# Altium PCB AccessControl_V1.0.0.PcbDoc (part 2 of 3)
Units mil, origin at the board's own origin, x right, y up, seen from the top; angles counter-clockwise.
Board outline 3937.01 x 3937.01 mil, 4 copper layers (Top Layer, GND, PWR, Bottom Layer), stack 62.449 mil thick; 371 components, 229 nets, 1119 pads, 467 vias.
Unrouted connection lines stored in the file: 6.
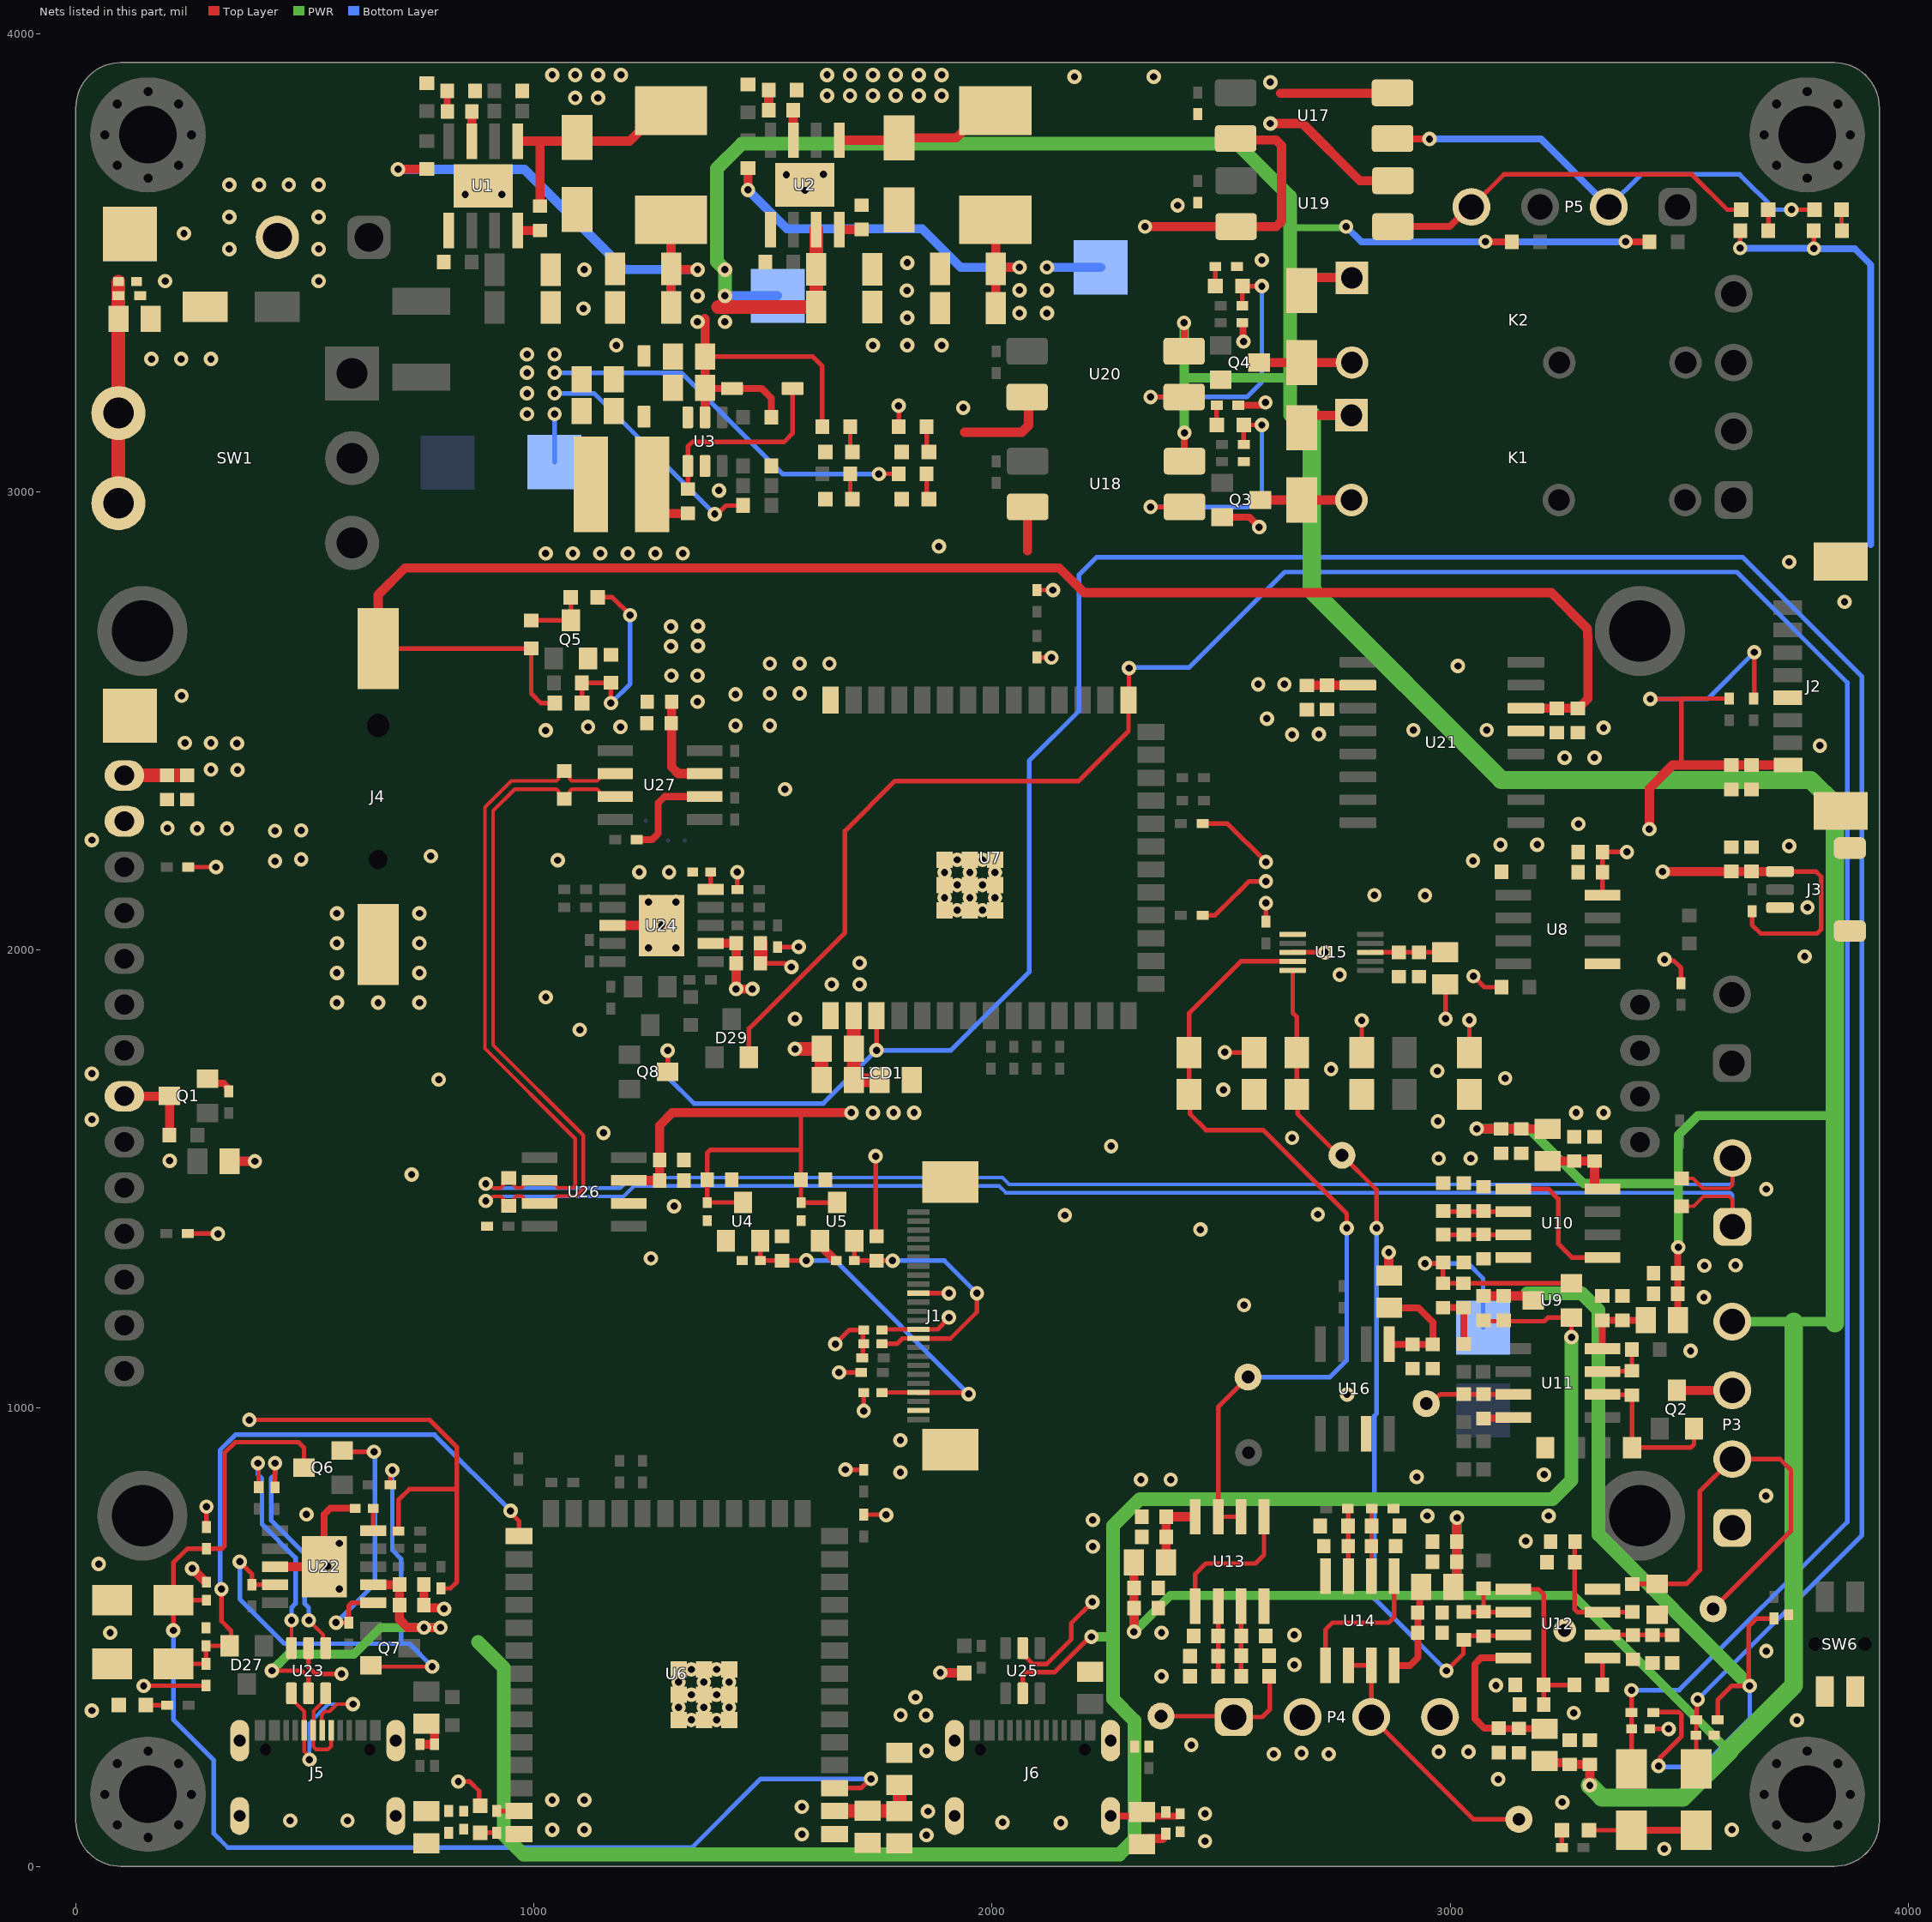
[diagram p4: the nets of this part, all layers, seen from the top]

## Part data
0_10_ADC 0_10V_DAC 0_10V_IN 0_10V_OUT 4_20ma_ADC 4_20ma_DAC 4_20ma_IN: library part Testpoint_TH, "Test Point TEST-1BK", Supply Name=BanLinhKien, Supply Part Number="Test Point TEST-1BK", Supply URL=https://banlinhkien.com/test-point-test1bk-mau-den-5c-p18255999.html
C1 C2 C13 C39 C42 C43 C46 C48 C51 C52 C56 C58 C60 C63 C65 C70 C72 C76 C78 C81 C83 C86 C87 C89 C92 C96 C100 C102: library part Ceramic_Cap_100nF_50V_0603, "CAP, size 0603, 100nF, 50V", Supply Part Number="Tụ Gốm 0603 100nF (0.1uF) 50V", Supply Name=Thegioiic, Supply URL=https://www.thegioiic.com/tu-gom-0603-100nf-0-1uf-50v
C3 C7: library part Ceramic_Cap_10uF_35V_1206, "CAP, size 1206, 10uF, 35V", Supply Part Number="Tụ Gốm 1206 10uF 35V", Supply Name=Thegioiic, Supply URL=https://www.thegioiic.com/tu-gom-1206-10uf-35v
C4 C8: library part Ceramic_Cap_100nF_50V_1206, "CAP, size 1206, 100nF, 50V", Supply Part Number="Tụ Gốm 1206 100nF (0.1uF) 50V", Supply Name=Thegioiic, Supply URL=https://www.thegioiic.com/tu-gom-1206-100nf-0-1uf-50v
C5 C6 C10 C11: library part Ceramic_Cap_47uF_16V_1206, "CAP, size 1206, 47uF, 16V", Supply Part Number="Tụ Gốm 1206 47uF 16V", Supply Name=Thegioiic, Supply URL=https://www.thegioiic.com/tu-gom-1206-47uf-16v
C9 C12: library part Ceramic_Cap_150pF_50V_0603, "CAP, size 0603, 150pF, 50V", Supply Part Number="Tụ Gốm 0603 150pF 50V", Supply Name=Thegioiic, Supply URL=https://www.thegioiic.com/tu-gom-0603-150pf-50v
C14 C17 C18 C21 C53: library part Ceramic_Cap_10uF_6.3V_0603, "CAP, size 0603, 10uF, 6.3V", Supply Part Number=CC0603KRX5R5BB106, Supply Name=tme, Supply URL=http://www.tme.vn/Product.aspx?id=1165#page=pro_info
C15 C16 C19 C20 C26 C29 C30 C33 C34 C35 C36 C37 C38 C93 C94 C97 C98: library part Ceramic_Cap_100nF_50V_0402, "CAP, size 0402, 100nF, 50V", Supply Part Number="Tụ Gốm 0402 100nF (0.1uF) 50V", Supply Name=Thegioiic, Supply URL=https://www.thegioiic.com/tu-gom-0402-100nf-0-1uf-50v
C22 C23: library part Ceramic_Cap_22uF_16V_0805, "CAP, size 0805, 22uF, 16V", Supply Part Number="Tụ Gốm 0805 22uF 16V", Supply Name=Thegioiic, Supply URL=https://www.thegioiic.com/tu-gom-0805-22uf-16v
C24: library part Ceramic_Cap_10uF_50V_0805, "CAP, size 0805, 10uF, 50V", Supply Part Number="Tụ Gốm 0805 10uF 50V", Supply Name=Thegioiic, Supply URL=https://www.thegioiic.com/tu-gom-0805-10uf-50v
C25 C27 C31: library part Ceramic_Cap_100nF_50V_0805, "CAP, size 0805, 100nF, 50V", Supply Part Number="Tụ Gốm 0805 100nF (0.1uF) 50V", Supply Name=Thegioiic, Supply URL=https://www.thegioiic.com/tu-gom-0805-100nf-0-1uf-50v
C28 C32: library part Ceramic_Cap_22uF_6.3V_0805, "CAP, size 0805, 22uF, 6.3V", Supply Part Number="Tụ Gốm 0805 22uF 6.3V", Supply Name=Thegioiic, Supply URL=https://www.thegioiic.com/tu-gom-0805-22uf-6-3v
C40 C41 C44 C47 C49 C50 C57 C59 C64 C66 C71 C73 C77 C79 C82 C84 C85 C88 C90 C91 C95 C99 C101: library part Ceramic_Cap_10uF_16V_0603, "CAP, size 0603, 10uF, 16V", Supply Part Number="Tụ Gốm 0603 10uF 16V", Supply Name=Thegioiic, Supply URL=https://www.thegioiic.com/tu-gom-0603-10uf-16v
C45 C54 C61 C62 C67 C68 C69 C74 C75 C80: library part Ceramic_Cap_2.2nF_50V_0603, "CAP, size 0603, 2.2nF, 50V", Supply Part Number=CC0603KRX7R9BB222, Supply Name=tme, Supply URL=http://www.tme.vn/Product.aspx?id=1310#page=pro_info
C55: library part Ceramic_Cap_470pF_50V_0603, "CAP, size 0603, 470pF, 50V", Supply Part Number="Tụ Gốm 0603 470pF 50V", Supply Name=Thegioiic, Supply URL=https://www.thegioiic.com/tu-gom-0603-470pf-50v
D1 D2 D3 D18 D22: library part Diode_SS54, "Diode Schottky 40V 5A Surface Mount SMA", Supply Part Number="SS54 SMA Diode Shotky 5A 40V", datasheet=https://www.thegioiic.com/upload/documents/dc8a63b3eda4738bc390d9dc570a4e18.pdf, Supply Name=Thegioiic, Supply URL=https://www.thegioiic.com/ss54-sma-diode-shotky-5a-40v
D4 D5: library part Diode_MBR0520T1G, "0.5A 20V SMD Schottky Rectifier Diode", datasheet=https://www.alldatasheet.com/datasheet-pdf/view/281319/SEMTECH_ELEC/MBR0520.html, Supply Name=tme, Supply Part Number=MBR0520T1G, Supply URL=http://www.tme.vn/Product.aspx?id=1582#page=pro_info
D6 D7 D8 D9 D10 D11 D19 D20 D21 D23 D26 D28: library part LED_Yellow_0603, "LED Yellow 0603", Supply Part Number="LED Vàng 0603 Dán SMD Trong Suốt Harvatek", Supply Name=Thegioiic, Supply URL=https://www.thegioiic.com/led-vang-0603-dan-smd-trong-suot-harvatek
D12 D13 D14 D15 D16 D17: library part Diode_BZV55C3V3, "DIODE ZENER 3.3V 500 mW", datasheet=https://www.alldatasheet.com/datasheet-pdf/view/17578/PHILIPS/BZV55.html, Supply Name=tme, Supply Part Number=BZV55-C3V3, Supply URL=http://www.tme.vn/Product.aspx?id=1871#page=pro_info
D24: "LED Green 0603", Supply Part Number="LED Xanh Lá 0603 Dán SMD Trong Suốt Harvatek", Supply Name=Thegioiic, Supply URL=https://www.thegioiic.com/led-xanh-la-0603-dan-smd-trong-suot-harvatek
D25: "LED Red 0603", Supply Part Number="LED Đỏ 0603 Dán SMD Trong Suốt Harvatek", Supply Name=Thegioiic, Supply URL=https://www.thegioiic.com/led-do-0603-dan-smd-trong-suot-harvatek
D27 D29: "DIODE ARRAY SCHOTTKY 30V SOT23-3", datasheet=https://www.alldatasheet.com/datasheet-pdf/view/527995/NXP/BAT54C.html, Supply Name=Thegioiic, Supply Part Number=BAT54C, Supply URL=https://www.thegioiic.com/bat54c
F1: library part Fuse_24V_0.75A_1812, "MF-MSMF075/24-2 Cầu Chì Tự Phục Hồi 1812 24V 0.75A", datasheet=https://www.bourns.com/docs/product-datasheets/mf-msmf.pdf?sfvrsn=4a75e5c0_64, Supply Name=Thegioiic, Supply Part Number="MF-MSMF075/24-2 Cầu Chì Tự Phục Hồi 1812 24V 0.75A", Supply URL=https://www.thegioiic.com/mf-msmf075-24-2-cau-chi-tu-phuc-hoi-1812-24v-0-75a
FB1 FB2 FB3 FB4 FB5 FB6 FB7 FB8 FB9 FB10 FB11 FB12 FB13 FB14 FB15: library part Ferrite_Bead_120Ohm_2A_0805, "Ferrite Bead, size 0805, 120Ohm, 2A", Supply Part Number="CBW201209U121T Ferrite Beads 2A 120 Ohm 0805", Supply Name=Thegioiic, Supply URL=https://www.thegioiic.com/cbw201209u121t-ferrite-beads-2a-120-ohm-0805
GND GND GND GND TP5 TP6 TP7 TP8 TP9 TP10: library part Testpoint_SMD
H1 H2 H3 H4: library part MountingHole
J1: library part FPC_0.5mm_24P, "Cổng FPC 24 Chân 0.5mm Tiếp Điểm Trên, 0.4A 50V", Supply Part Number="Cổng FPC 24 Chân 0.5mm Tiếp Điểm Trên", Supply Name=Thegioiic, Supply URL=https://www.thegioiic.com/cong-fpc-24-chan-0-5mm-tiep-diem-tren
J2: library part MX_1.25mm_8P, "Đầu MX1.25mm 8 Chân Dán SMD Thẳng Đứng", Supply Name=Thegioiic, Supply Part Number="Đầu MX1.25mm 8 Chân Dán SMD Thẳng Đứng", Supply URL=https://www.thegioiic.com/dau-mx1-25mm-8-chan-dan-smd-thang-dung
J3: library part SH_1mm_3P, "Đầu SH1.0mm 3 Chân Dán SMD Nằm Ngang", Supply Name=Thegioiic, Supply Part Number="Đầu SH1.0mm 3 Chân Dán SMD Nằm Ngang", Supply URL=https://www.thegioiic.com/dau-sh1-0mm-3-chan-dan-smd-nam-ngang
J4: library part Battery_Holder_CR1220, "Coin Cell Battery Retainer, Horizontal SMT, for CR1220 Coin Cell Batteries, Tape & Reeled", Supply Part Number="Đế Pin CR1220 Dán SMD", Supply Name=Thegioiic, Supply URL=https://www.thegioiic.com/de-pin-cr1220-dan-smd
J5 J6: library part USB_TypeC_3.1, "USB Type C - Connector, Top-mount SMT, 16pos", Supply Part Number="Cổng USB Cái 3.1 Type C 16 Chân Thẳng Dán SMD", datasheet=https://www.thegioiic.com/upload/documents/1734591720_TYPE-C-16PIN.pdf, Supply Name=Thegioiic, Supply URL=https://www.thegioiic.com/cong-usb-cai-3-1-type-c-16-chan-thang-dan-smd
K1 K2: "4 chân xuyên lỗ", Supply Part Number="HF46F 12-HS1 Rơ Le 12VDC 5A SPST-NO 4 Chân", datasheet=https://www.thegioiic.com/upload/documents/1734591411_HF-Xiamen-Hongfa-Electroacoustic-HF46F.pdf, Supply Name=Thegioiic, Supply URL=https://www.thegioiic.com/hf46f-12-hs1-ro-le-12vdc-5a-spst-no-4-chan
L1 L2: library part IND_10uH_0630, "10uH, 4A, Size 0630", Supply Part Number="Cuộn cảm 10UH 0630", Supply Name=icdayroi, Supply URL=https://icdayroi.com/cuon-cam-10uh-0630
L3: library part IND_22uH_4D28, "22uH 20% 1A SMD Power Inductor 4.8x4.8x2.8 mm", Supply Name=tme, Supply Part Number="22uH 20% 1A SMD Power Inductor 4.8x4.8x2.8 mm", Supply URL=http://www.tme.vn/Product.aspx?id=1639#page=pro_info
LCD1: library part "LCD TFT", Supply Part Number="LCD 3.2inch 320x240 TFT ILI9341 Cảm Ứng Điện Trở SPI", Supply Name=Thegioiic, Supply URL=https://www.thegioiic.com/lcd-3-2inch-320x240-tft-ili9341-cam-ung-dien-tro-spi
P1: library part Terminal_Block_5.08mm_2P, "Terminal Block THT, pitch 5.08mm, 2p, 300V, 10A", Supply Part Number="UL-5.08-2-R Terminal Block Plug-in Hàn PCB 2 Chân Cong 5.08mm 300V 15A ULO", Supply Name=Thegioiic, Supply URL=https://www.thegioiic.com/ul-5-08-2-r-terminal-block-plug-in-han-pcb-2-chan-cong-5-08mm-300v-15a-ulo
P2 P7: library part Terminal_Block_3.81mm_2P, "Terminal Block THT, pitch 3.81mm, 2p, 300V, 10A", Supply Part Number="UL-3.81-2-R Terminal Block Plug-in Hàn PCB 2 Chân Cong 3.81mm 300V 10A ULO", Supply Name=Thegioiic, Supply URL=https://www.thegioiic.com/ul-3-81-2-r-terminal-block-plug-in-han-pcb-2-chan-cong-3-81mm-300v-10a-ulo
P3 P4 P5 P6: library part Terminal_Block_3.81mm_4P, "Terminal Block THT, pitch 3.81mm, 4p, 300V 10A", Supply Part Number="UL-3.81-4-R Terminal Block Plug-in Hàn PCB 4 Chân Cong 3.81mm 300V 10A ULO", ComponentLink1Description="Website Link", ComponentLink1URL=https://www.we-online.com/redexpert/article/691322310004?ad, ComponentLink2Description="Datasheet Link", ComponentLink2URL=https://www.we-online.com/redexpert/spec/691322310004?ad, Supply Name=Thegioiic, Supply URL=https://www.thegioiic.com/ul-3-81-4-r-terminal-block-plug-in-han-pcb-4-chan-cong-3-81mm-300v-10a-ulo
Q1 Q2: "SI2308 SOT23 MOSFET N-CH 2A 60V", datasheet=https://www.mouser.vn/datasheet/2/427/si2308bd-1765649.pdf, Supply Name=BanLinhKien, Supply Part Number="SI2308 SOT23 MOSFET N-CH 2A 60V", Supply URL=https://banlinhkien.com/si2308-sot23-mosfet-nch-2a-60v-smda8s-5c-p15289840.html
Q3 Q4 Q5 Q6 Q7 Q8 Q9: "Điện áp Vce max: 40V, dòng Ic max: 0.6A, công suất: 0.3W", Supply Part Number="MMBT2222A 1P Transistor NPN 40V 0.6A 3 Chân SOT-23", datasheet=https://www.thegioiic.com/upload/documents/1734592311_MMBT2222A.pdf, Supply Name=Thegioiic, Supply URL=https://www.thegioiic.com/mmbt2222a-1p-transistor-npn-40v-0-6a-3-chan-sot-23
R1: library part Res_68K_0603_1%, "Resistor 0603 68KOhm 1% 1_10W", Supply Part Number="Điện Trở 68 KOhm 0603 1%", Supply Name=Thegioiic, Supply URL=https://www.thegioiic.com/dien-tro-68-kohm-0603-1-
R2: library part Res_75K_0603_1%, "Resistor 0603 75KOhm 1% 1_10W", Supply Part Number="Điện Trở 75 KOhm 0603 1%", Supply Name=Thegioiic, Supply URL=https://www.thegioiic.com/dien-tro-75-kohm-0603-1-
R3 R7 R8 R9 R10 R11 R51 R52 R54 R55 R58 R59 R63 R65 R68 R69 R72 R73 R75 R78: library part Res_100K_0603_1%, "Resistor 0603 100KOhm 1% 1_10W", Supply Part Number="Điện Trở 100 KOhm 0603 1%", Supply Name=Thegioiic, Supply URL=https://www.thegioiic.com/dien-tro-100-kohm-0603-1-
R4 R15 R16 R17 R18: library part Res_4.7K_0603_1%, "Resistor 0603 4.7KOhm 1% 1_10W", Supply Part Number="Điện Trở 4.7 KOhm 0603 1%", Supply Name=Thegioiic, Supply URL=https://www.thegioiic.com/dien-tro-4-7-kohm-0603-1-
R5: library part Res_24K_0603_5%, "Resistor 0603 24KOhm 5% 1_10W", Supply Part Number="Điện Trở 24 KOhm 0603 5%", Supply Name=Thegioiic, Supply URL=https://www.thegioiic.com/dien-tro-24-kohm-0603-5-
R6: library part Res_10.2K_0603_1%, "Resistor 0603 10.2KOhm 1% 1_10W", Supply Part Number="Điện Trở 10.2 KOhm 0603 1%", Supply Name=Thegioiic, Supply URL=https://www.thegioiic.com/dien-tro-10-2-kohm-0603-1-
R12: library part Res_44.2K_0603_1%, "Resistor 0603 44.2KOhm 1% 1_10W", Supply Part Number="Điện Trở 44.2 KOhm 0603 1%", Supply Name=Thegioiic, Supply URL=https://www.thegioiic.com/dien-tro-44-2-kohm-0603-1-
R13: library part Res_0R_0603_1%, "Resistor 0603 0 Ohm 1% 1_10W", Supply Part Number="Điện Trở 0 Ohm 0603 1%", Supply Name=Thegioiic, Supply URL=https://www.thegioiic.com/dien-tro-0-ohm-0603-1-
R14: library part Res_8.2K_0603_1%, "Resistor 0603 8.2KOhm 1% 1_10W", Supply Part Number="Điện Trở 8.2 KOhm 0603 1%", Supply Name=Thegioiic, Supply URL=https://www.thegioiic.com/dien-tro-8-2-kohm-0603-1-
R19 R20 R21 R23 R24 R25 R30 R31 R32 R35 R38 R39 R40 R79 R80 R81 R86 R87 R88 R90 R95 R96 R97 R104 R105 R113 R114 R115 R117 R118 R127 R128 R129 R138 R139: library part Res_10K_0402_1%, "Resistor 0402 10KOhm 1% 1_16W", Supply Part Number="Điện Trở 10 KOhm 0402 1%", Supply Name=Thegioiic, Supply URL=https://www.thegioiic.com/dien-tro-10-kohm-0402-1-
R22 R26 R85 R94 R103 R119: library part Res_1K_0402_1%, "Resistor 0402 1KOhm 1% 1_16W", Supply Part Number="Điện Trở 1 KOhm 0402 1%", Supply Name=Thegioiic, Supply URL=https://www.thegioiic.com/dien-tro-1-kohm-0402-1-
R27 R28 R29 R98 R99 R106 R120: library part Res_4.7K_0402_1%, "Resistor 0402 4.7KOhm 1% 1_16W", Supply Part Number="Điện Trở 4.7 KOhm 0402 1%", Supply Name=Thegioiic, Supply URL=https://www.thegioiic.com/dien-tro-4-7-kohm-0402-1-
R33 R34 R36 R41 R42 R44 R45 R47 R48 R82 R107 R108 R109 R110 R121 R122 R123 R124 R132 R133 R136 R137: library part Res_22R_0402_1%, "Resistor 0402 22 Ohm 1% 1_16W"
R37 R83 R89 R101: library part Res_1K_0603_1%, "Resistor 0603 1KOhm 1% 1_10W", Supply Part Number="Điện Trở 1 KOhm 0603 1%", Supply Name=Thegioiic, Supply URL=https://www.thegioiic.com/dien-tro-1-kohm-0603-1-
R43 R49 R91 R92: library part Res_10K_0603_1%, "Resistor 0603 10KOhm 1% 1_10W", Supply Part Number="Điện Trở 10 KOhm 0603 1%", Supply Name=Thegioiic, Supply URL=https://www.thegioiic.com/dien-tro-10-kohm-0603-1-
R46 R131 R134 R135: library part Res_120R_0603_1%, "Resistor 0603 120 Ohm 1% 1_10W", Supply Part Number="Điện Trở 120 Ohm 0603 1%", Supply Name=Thegioiic, Supply URL=https://www.thegioiic.com/dien-tro-120-ohm-0603-1-
R50 R53 R71 R74: library part Res_30K_0603_1%, "Resistor 0603 30KOhm 1% 1_10W", Supply Part Number="Điện Trở 30 KOhm 0603 1%", Supply Name=LinhkienX, Supply URL=https://linhkienx.com/vi/dien-tro-30-kohm-0603-1-
R56: library part Res_51R_0603_5%, "Resistor 0603 51 Ohm 5% 1_10W", Supply Part Number="Điện Trở 51 Ohm 0603 5%", Supply Name=Thegioiic, Supply URL=https://www.thegioiic.com/dien-tro-51-ohm-0603-5-
R57: library part Res_100R_0805_1%, "Resistor 0805 100 Ohm 1% 1_8W", Supply Part Number="Điện Trở 100 Ohm 0805 1%", Supply Name=Thegioiic, Supply URL=https://www.thegioiic.com/dien-tro-100-ohm-0805-1-
R60 R66: library part Res_180R_0805_1%, "Resistor 0805 180 Ohm 1% 1_8W", Supply Part Number="Điện Trở 180 Ohm 0805 1%", Supply Name=Thegioiic, Supply URL=https://www.thegioiic.com/dien-tro-180-ohm-0805-1-
R61: library part Res_8.2R_0805_5%, "Resistor 0805 8.2 Ohm 5% 1_8W", Supply Part Number="Điện Trở 8.2 Ohm 0805 5%", Supply Name=Thegioiic, Supply URL=https://www.thegioiic.com/dien-tro-8-2-ohm-0805-5-
R62 R70: library part Res_56K_0603_1%, "Resistor 0603 56KOhm 1% 1_10W", Supply Part Number="Điện Trở 56 KOhm 0603 1%", Supply Name=Thegioiic, Supply URL=https://www.thegioiic.com/dien-tro-56-kohm-0603-1-
R64 R67: library part Res_53.6K_0603_1%, "Resistor 0603 53.6KOhm 1% 1_10W", Supply Part Number="Điện Trở 53.6 KOhm 0603 1%", Supply Name=Thegioiic, Supply URL=https://www.thegioiic.com/dien-tro-53-6-kohm-0603-1-
R76 R77: library part Res_30K_0402_1%, "Resistor 0402 30KOhm 1% 1_16W", Supply Part Number="Điện Trở 30 KOhm 0402 1%", Supply Name=Thegioiic, Supply URL=https://www.thegioiic.com/dien-tro-30-kohm-0402-1-
R84 R93: library part Res_220R_0402_5%, "Resistor 0402 220 Ohm 5% 1_16W", Supply Part Number="Điện Trở 220 Ohm 0402 5%", Supply Name=Thegioiic, Supply URL=https://www.thegioiic.com/dien-tro-220-ohm-0402-5-
R100 R102: library part Res_100R_0603_1%, "Resistor 0603 100 Ohm 1% 1_10W", Supply Part Number="Điện Trở 100 Ohm 0603 1%", Supply Name=Thegioiic, Supply URL=https://www.thegioiic.com/dien-tro-100-ohm-0603-1-
R111 R112 R125 R126: library part Res_5.1K_0402_1%, "Resistor 0402 5.1KOhm 1% 1_16W"
R116 R130: library part Res_220R_0603_1%, "Resistor 0603 220 Ohm 1% 1_10W", Supply Part Number="Điện Trở 220 Ohm 0603 1%", Supply Name=Thegioiic, Supply URL=https://www.thegioiic.com/dien-tro-220-ohm-0603-1-
SW1: library part MTS-102-C3, "Switch Toggle", Supply Part Number="MTS-102-C3 Công Tắc Toggle ON-ON Gạt Giữ 3 Chân Cong 6A 125VAC", Supply Name=Thegioiic, Supply URL=https://www.thegioiic.com/mts-102-c3-cong-tac-toggle-on-on-gat-giu-3-chan-cong-6a-125vac
SW2 SW3 SW4 SW5: library part Button_SMD_3x4mm_2P, Supply Part Number="Nút Nhấn 3x4mm Cao 2.5mm 2 Chân SMD", Supply Name=Thegioiic, Supply URL=https://www.thegioiic.com/nut-nhan-3x4mm-cao-2-5mm-2-chan-smd
SW6: library part Button_SMD_4.5x4.7mm_4P, Supply Part Number="Nút Nhấn Rùa 4.5x4.7mm Cao 1.65mm 4 Chân SMD", Supply Name=Thegioiic, Supply URL=https://www.thegioiic.com/nut-nhan-rua-4-5x4-7mm-cao-1-65mm-4-chan-smd
U1 U2: "Buck Switching Regulator IC Positive Adjustable 0.8V 1 Output 3A 8-SOIC _0.154, 3.90mm Width_ Exposed Pad", datasheet=https://www.monolithicpower.com/en/documentview/productdocument/index/version/2/document_type/Datasheet/lang/en/sku/MP1584EN-LF-Z/document_id/204/?srsltid=AfmBOopCyUDyOs-uLll4YtNPir4o4STehG4B04EkgGGTflYW96m-OPS4, Supply Name=tme, Supply Part Number=MP1584EN-LF-Z, Supply URL=http://www.tme.vn/Product.aspx?id=2070#page=pro_info
U3: "1A Load Step-Down DC-DC Regulator SOT23-6", datasheet=https://www.ti.com/lit/ds/symlink/lm2734.pdf, Supply Name=tme, Supply Part Number=LM2734YMK, Supply URL=http://www.tme.vn/Product.aspx?id=2552#page=pro_info
U4: "LDO Regulator IC 2.8V", Supply Part Number="IC nguồn XC6206P282MR XC6206-2.8V SOT-23", datasheet=https://product.torexsemi.com/system/files/series/xc6206.pdf, Supply Name=LinhKienThuDuc, Supply URL=https://linhkienthuduc.com/san-pham/ic-nguon-xc6206p282mr-xc6206-2-8v-sot-23/?srsltid=AfmBOoqd3LZKboXW9OfwVV72Gfw02pCDNwWKEzmEXcFyHjhIUeewssqN
U5: "LDO Regulator IC 1.2V", Supply Part Number="IC nguồn XC6206P122MR XC6206-1.2V SOT-23", datasheet=https://product.torexsemi.com/system/files/series/xc6206.pdf, Supply Name=LinhKienThuDuc, Supply URL=https://linhkienthuduc.com/san-pham/ic-nguon-xc6206p122mr-xc6206-1-2v-sot-23/?srsltid=AfmBOoqZu0g7j9WGKrjDl4O5a-JCOUfPSMG8bfJmSCZku9rh09-J63is
U6: "Bluetooth, WiFi 802.11b/g/n, Bluetooth v5.0 Transceiver Module 2.4GHz Antenna Not Included, U.FL Surface Mount", Supply Part Number="ESP32-S3-WROOM-1U-N16R8 Thu Phát Wifi BLE ESP32 16MB", datasheet=https://www.espressif.com/sites/default/files/documentation/esp32-s3_datasheet_en.pdf, Supply Name=DienTuTuyetNga, Supply URL=https://dientutuyetnga.com/products/esp32-s3-wroom-1u-n16r8-thu-phat-wifi-ble-esp32-16mb
U7: "Bluetooth, WiFi 802.11b/g/n, Bluetooth v5.0 Transceiver Module 2.4GHz Antenna Not Included, U.FL Surface Mount", Supply Part Number="ESP32-S3-WROOM-1U-N8R2 Module WiFi Bluetooth 8MB Flash, 2MB SRAM 2.4GHz", datasheet=https://www.espressif.com/sites/default/files/documentation/esp32-s3_datasheet_en.pdf, Supply Name=Thegioiic, Supply URL=https://www.thegioiic.com/esp32-s3-wroom-1u-n8r2-module-wifi-bluetooth-8mb-flash-2mb-sram-2-4ghz
U8: "1/1 Transceiver Half RS422, RS485 8-SOIC", Supply Part Number="MAX3485EESA+ Line Transceiver, 8-SOIC", datasheet=https://www.analog.com/media/en/technical-documentation/data-sheets/max3483e-max3491e.pdf, Supply Name=Thegioiic, Supply URL=https://www.thegioiic.com/max3485eesa-line-transceiver-8-soic
U9: "Voltage Reference IC 2.5V", Supply Part Number="MCP1525T-I/TT IC Tham Chiếu Điện Áp 2.5V SOT-23", datasheet=https://ww1.microchip.com/downloads/aemDocuments/documents/APID/ProductDocuments/DataSheets/21653C.pdf, Supply Name=Thegioiic, Supply URL=https://www.thegioiic.com/mcp1525t-i-tt-ic-tham-chieu-dien-ap-2-5v-sot-23
U10 U11 U12 U13 U14: "Low Noise Single/Dual Operational Amplifier - SOIC-8", datasheet=https://www.ti.com/lit/ds/symlink/ne5532.pdf, Supply Name=tme, Supply Part Number=NE5532DR, Supply URL=http://www.tme.vn/Product.aspx?id=2122#page=pro_info
U15: Supply Part Number="ADS1115IDGSR IC ADC 16-Bit Sigma-Delta 10-VSSOP", datasheet=https://www.ti.com/lit/ds/symlink/ads1114.pdf?ts=1737360738578&ref_url=https%253A%252F%252Fwww.google.com%252F, Supply Name=Thegioiic, Supply URL=https://www.thegioiic.com/ads1115idgsr-ic-adc-16-bit-sigma-delta-10-vssop
U16: "12 Bit Digital to Analog Converter 2 8-SOIC", Supply Part Number="MCP4822-E/SN SOIC-8 DAC 12Bit Chính Hãng Microchip", datasheet=https://ww1.microchip.com/downloads/aemDocuments/documents/OTH/ProductDocuments/DataSheets/20002249B.pdf, Supply Name=BanLinhKien, Supply URL=https://banlinhkien.com/m4822esn-soic8-dac-12bit-chinh-hang-microchip-p6651182.html
U17 U18 U19 U20: "Optocoupler DC-IN 1-CH Transistor DC-OUT 4-Pin", Supply Part Number="PC817X2NIPW Optoisolator Transistor Output 5000Vrms 1 Channel, SOP-4", datasheet=https://www.alldatasheet.com/datasheet-pdf/view/525168/SHARP/PC817X2NIP0F.html, Supply Name=Thegioiic, Supply URL=https://www.thegioiic.com/pc817x2nipw-optoisolator-transistor-output-5000vrms-1-channel-sop-4
U21: "Real Time Clock (RTC) IC Clock/Calendar - I²C, 2-Wire Serial 16-SOIC (0.295, 7.50mm Width)", Supply Part Number="DS3231SN#T&R IC RTC Clock/Calendar", datasheet=https://www.mouser.com/datasheet/2/256/DS3231-102175.pdf, Supply Name=Thegioiic, Supply URL=https://www.thegioiic.com/ds3231sn-t-r-ic-rtc-clock-calendar-16-sop
U22 U24: "USB to Serial Port Chip", datasheet=https://www.alldatasheet.com/datasheet-pdf/view/1817211/WCH/CH340K.html, Supply Name=LinhKienThuDuc, Supply Part Number=CH340K, Supply URL=https://linhkienthuduc.com/san-pham/ch340k/
U23 U25: "17V Clamp 5A (8/20Âµs) Ipp Tvs Diode Surface Mount SOT-23-6", Supply Part Number="USBLC6-2SC6 TVS diode 5.25V 17V SOT23-6", datasheet=https://www.alldatasheet.com/datasheet-pdf/view/111891/STMICROELECTRONICS/USBLC6-2SC6.html, Supply Name=Icdayroi, Supply URL=https://icdayroi.com/usblc6-2sc6-tvs-diode-5-25v-17v-sot23-6
U26 U27: "1/1 Transceiver Half CANbus", Supply Part Number="SN65HVD230DR CAN Transceiver 8-SOIC", datasheet=https://www.ti.com/lit/ds/symlink/sn65hvd230.pdf, Supply Name=Thegioiic, Supply URL=https://www.thegioiic.com/sn65hvd230dr-can-transceiver-8-soic

## Via types
v1: diameter 31.5, hole 15.75, Top Layer to Bottom Layer, tented both sides, 466 vias
v2: diameter 50, hole 28, Top Layer to Bottom Layer, tented both sides, 1 vias

## Nets (pads, with @x,y where several pads share a name; then routed paths per layer and width w, separated by ;. In a path a pad name is that pad's centre, name@x,y a point inside that pad or via, vN(x,y) a via of type N, cw(c..) or ccw(c..) an arc to the next point about the centre after c; other vN are vias at no path point)
0_10V_IN: 0_10V_IN.1 P4.1 R72.1 | length 318
  Top Layer w10: 0_10V_IN.1@2369,328 2525.69,328 P4.1@2527.84,325.86 2589.86,325.86 2606,342 2606,414.4 R72.1@2605.24,415.16
0_10V_OUT: 0_10V_OUT.1 P4.3 U14.6 U14.7 | length 578.7
  Top Layer w10: U14.6@2778,438.56 U14.7@2828,438.56 2827.92,438.48 2827.92,325.94 P4.3@2827.84,325.86 3050.69,103 0_10V_OUT.1@3151.43,103
1V2: C20.2 C21.2 C36.2 J1.10 U5.2 | length 618
  Top Layer w10: U5.2@1699.4,1365.54 C20.2@1699.4,1322 C21.2@1748,1322 v1(1783,1322) ; C36.2@1759.69,1140.63 1792.63,1140.63 1804.52,1152.52 J1.10@1839.12,1152.52 1839.64,1152 1909,1152 1967,1210 v1(1967,1251)
  Bottom Layer w10: v1(1783,1322) 1896,1322 v1(1967,1251)
2V5: C52.2 C53.2 R51.1 TP10.1 U9.2 | length 613.4
  Top Layer w10: v1(2945,1316) 2982.89,1316 R51.1@2984.34,1317.44 ; R51.1@2984.65,1317.76 R51.1@2984.34,1317.44 ; U9.2@3264.73,1272.4 3264.56,1272.57 C52.2@3029,1272.57 C53.2@2984.34,1272.57 R51.1@2984.34,1317.44
  Bottom Layer w10: v1(2945,1316) 3039,1316 3072,1283 TP10.1@3072,1176
2V8: C16.2 C17.2 C37.2 J1.4 U4.2 | length 809.2
  Top Layer w10: U4.2@1493.83,1365.54 1494.11,1365.25 C16.2@1494.11,1322 C17.2@1541.43,1322 1541.68,1322.26 1594.5,1322.26 v1(1594.76,1322.52) ; C37.2@1760.71,1034.41 J1.4@1839.12,1034.41 1839.7,1033.83 1946.2,1033.83 v1(1949,1031.03)
  Bottom Layer w10: v1(1594.76,1322.52) 1657.51,1322.52 v1(1949,1031.03)
3V3: C10.2 C11.2 C14.2 C15.2 C18.2 C19.2 C38.2 C41.2 C42.2 C43.2 C44.2 C85.2 C86.2 C89.2 C90.2 C99.2 C100.2 C101.2 C102.2 D12.C D14.C D16.C FB2.2 FB3.2 FB4.1 FB10.2 FB11.2 J1.11 J2.1 J3.1 L2.2 R2.2 R18.2 R20.2 R21.2 R23.2 R24.2 R25.2 R27.2 R28.2 R29.2 R31.2 R32.2 R35.2 R39.2 R40.2 R43.2 R79.2 R80.2 R81.2 R97.2 R98.2 R99.2 R104.2 R105.2 R117.2 R118.2 TP8.1 U4.3 U5.3 U8.8 U17.4 U19.4 U21.2 U26.3 U27.3 | length 9870
  Top Layer w10: v1(148,394) 148.38,394.38 283.62,394.38 R20.2@284,394.76 ; R31.2@244.62,1381 309.66,1381 v1(310.05,1380.61) ; R32.2@245.62,2181 v1(306,2181) ; R21.2@285,740.61 v1(285,785) ; v1(378.76,974.52) 772.48,974.52 832,915 832,824.9 ; R105.2@704.38,732 704.38,799.74 727.86,823.22 830.32,823.22 832,824.9 ; R104.2@797,606.76 817.76,606.76 832,621 832,824.9 ; v1(1444,2170) 1444.19,2169.81 1444.19,2132.19 R118.2@1444.38,2132 ; U4.3@1456.43,1449 C15.2@1378.43,1449 C14.2@1378.43,1499 1378.43,1557.43 1385,1564 1583,1564 ; R117.2@1532,2006.5 1532.25,2006.75 1577.75,2006.75 v1(1578,2007) ; 1583,1645 1583,1564 ; U5.3@1662,1449 1661.69,1448.69 C19.2@1583,1448.69 C18.2@1583,1499 1583,1564 ; v1(1666,1078) R27.2@1714.38,1078 ; v1(1680,866) 1680.38,865.62 R28.2@1720,865.62 ; R29.2@1720,767.62 1768.38,767.62 v1(1769,767) ; C38.2@1759.69,1171 1760.89,1172.2 J1.11@1839.12,1172.2 1881.24,1172.2 1906,1196.97 v1(1906,1198) ; v1(1796,3188) 1796.5,3187.5 R18.2@1796.5,3142 ; R99.2@2098,2638.38 v1(2129.62,2638.38) ; R98.2@2098,2785.62 v1(2133,2785.62) ; R81.2@2459.62,2075.94 2486.94,2075.94 2524.25,2113.25 2542.75,2131.75 2561,2150 v1(2597.99,2150) ; R80.2@2459.62,2275.94 2514.05,2275.94 v1(2597.99,2192) ; v1(2508,1777) 2509,1776 D14.C@2571.87,1776 ; R79.2@2598,2061.93 v1(2597.99,2102.53) ; D12.C@2806.87,1776 2807,1776.13 v1(2807,1846.32) ; FB11.2@2866.07,1290.03 FB11.2@2867,1289.11 ; FB10.2@2989,1924.79 2990,1923.79 v1(2990,1850) ; D16.C@3041.87,1776 3041.87,1846.87 v1(3042,1847) ; v1(3051,1943) 3075,1919 R43.2@3111.81,1919 ; U8.8@3332.44,2120 C43.2@3332.44,2170 C44.2@3332.44,2214 v1(3386,2214) ; v1(3437,2548) 3505,2548 ; R23.2@3445.2,337 3499.14,337 3505,331.14 3505,284.17 3459.11,238.29 3459.11,223.11 v1(3455,219) ; v1(3467.79,1979.52) 3470.82,1976.49 3488.25,1976.49 3504,1960.73 R35.2@3504,1927.62 ; 3498.06,2403.63 3505,2410.57 3505,2548 ; R24.2@3584.24,320 3584.24,363.24 3615,394 v1(3654,394) 3652,396 3652,524 3669.1,541.1 R25.2@3707,541.1 ; R39.2@3609.31,2548.77 3505.77,2548.77 3505,2548 ; R97.2@3659,2084.81 3659,2055 3678,2036 3801,2036 3810,2045 3810,2160 3798.57,2171.43 J3.1@3720,2171.43 ; R40.2@3662.69,2548.77 3664,2550.07 v1(3664,2650)
  Top Layer w20: FB4.1@336.11,1539 v1(391,1539) ; U26.3@1207.44,1497 C100.2@1274.43,1497 C99.2@1274.43,1542 1274.43,1617.28 1302.14,1645 1583,1645 v1(1693,1645) ; C102.2@1300.57,2542 1300.57,2399.72 1315.29,2385 U27.3@1372.44,2385 ; v1(1467.32,3659) R2.2@1467.32,3706.5 ; L2.2@2007.32,3593.91 2008.32,3592.91 C10.2@2008.32,3487 ; C11.2@2008.32,3401 C10.2@2008.32,3487 ; v1(2060,3490) 2011.32,3490 C10.2@2008.32,3487 ; v1(2334,3579) U19.4@2532.74,3579 2620.28,3579 2632,3590.72 2632,3756 2620,3768 2534.74,3768 U17.4@2531.74,3771 ; C90.2@2687,2577.79 C90.2@2687,2577.57 2687.21,2577.79 2798.52,2577.79 U21.2@2798.73,2578 ; FB11.2@2866.07,1290.03 v1(2866.07,1340) ; v1(3435,2264) 3435,2353 3485.63,2403.63 3498.06,2403.63 C41.2@3614,2403.63 3614.21,2403.84 3737.79,2403.84 J2.1@3738,2404.05 ; v1(3464,2171) 3464.48,2171.48 C85.2@3614,2171.48 ; C85.2@3614,2171.48 J3.1@3719.97,2171.45
  PWR w30: 3168,1251 3287,1251 3324,1214 3324,724 v1(3654,394)
  Bottom Layer w10: v1(3437,2548) 3562,2548 v1(3664,2650) ; v1(3455,219) 3457,217 3549,217 3654,322 v1(3654,394)
  Bottom Layer w20: v1(1467.32,3659) 1552.32,3574 1847.32,3574 1931.32,3490 v1(2060,3490) ; v1(2120,3490) TP8.1@2237,3490
  other v1: 1857,252 1800.5,330.13 1856,330 1833,369 1740,1645 1785,1645 1830,1645 435,2194 492,2198 435,2260 492,2261 1357,2542 2581,2580 2638,2580 1300,2599 1357,2599 1299,2663 1358,2664 1299,2706 1358,2707 2060,3390 2120,3390 2060,3440 2120,3440
4_20mA_IN: 4_20ma_IN.1 P3.2 R64.1 R66.2 | length 943.1
  Top Layer w10: R64.1@3398,616.5 R66.2@3452,616.5 3515.5,616.5 3545,646 3545,818 P3.2@3616,889 3720.14,889 3744,865.14 3744,732 4_20ma_IN.1@3574,562
4_20mA_OUT: P3.3 Q2.3 | length 125
  Top Layer w20: Q2.3@3491,1039 P3.3@3616,1039
5V: C22.2 C23.2 C39.2 C40.2 C50.2 C51.2 C91.2 C92.2 C95.2 C96.2 L3.2 LCD1.1 R13.1 R17.2 TP7.1 U9.1 U22.7 U23.5 U24.7 U25.5 | length 6983.1
  Top Layer w10: v1(428,427) 493,427 508,412 U23.5@508,377.59 ; v1(1394.68,2951.56) 1400.5,2951.56 1418.93,2970 1456.28,2970 R13.1@1456.88,2970.6 ; v1(1753,3039) 1753.33,3039.33 R17.2@1796.5,3039.33 ; U25.5@2066.93,377.59 2066.93,414.93 2076,424 2137,424 2214,501 v1(2217,501) ; C50.2@3073,1192 3075,1190 3206,1190 3213.6,1197.6 U9.1@3264.73,1197.6 3264.73,1155.27 v1(3265,1155)
  Top Layer w20: U22.7@649.54,614.63 649.73,614.82 706.44,614.82 C91.2@706.63,615 C92.2@706.63,570 706.63,538.72 724.35,521 v1(760.17,521) v1(796,521) ; U24.7@1386,2014.37 1386.31,2014.68 1441.11,2014.68 C96.2@1441.43,2015 C95.2@1441.43,1971 v1(1441.43,1915) v1(1477,1915)
  Top Layer w30: LCD1.1@106,2381 106.34,2381.34 242.76,2381.34 C40.2@243,2381.57
  PWR w20: v1(428,427) 464,463 607,463 665,521 v1(796,521) ; v1(2217,501) 2262.24,501
  PWR w30: 878,490 934,434 934,69 977,26 2278,26 2311,59 2311,318.44 2264,365.44 2264,499.24 ; 2262.24,501 2264,499.24 ; v1(3265,1155) 3265,843 3223.75,801.75 2322.75,801.75 2264,743 2264,499.24
  Bottom Layer w10: TP7.1@1045,3065 v1(1045,3170) ; v1(1045,3215) 1131.24,3215 v1(1394.68,2951.56) ; v1(1045,3260) 1322,3260 1543,3039 v1(1753,3039)